# KiCad board FF34.kicad_pcb
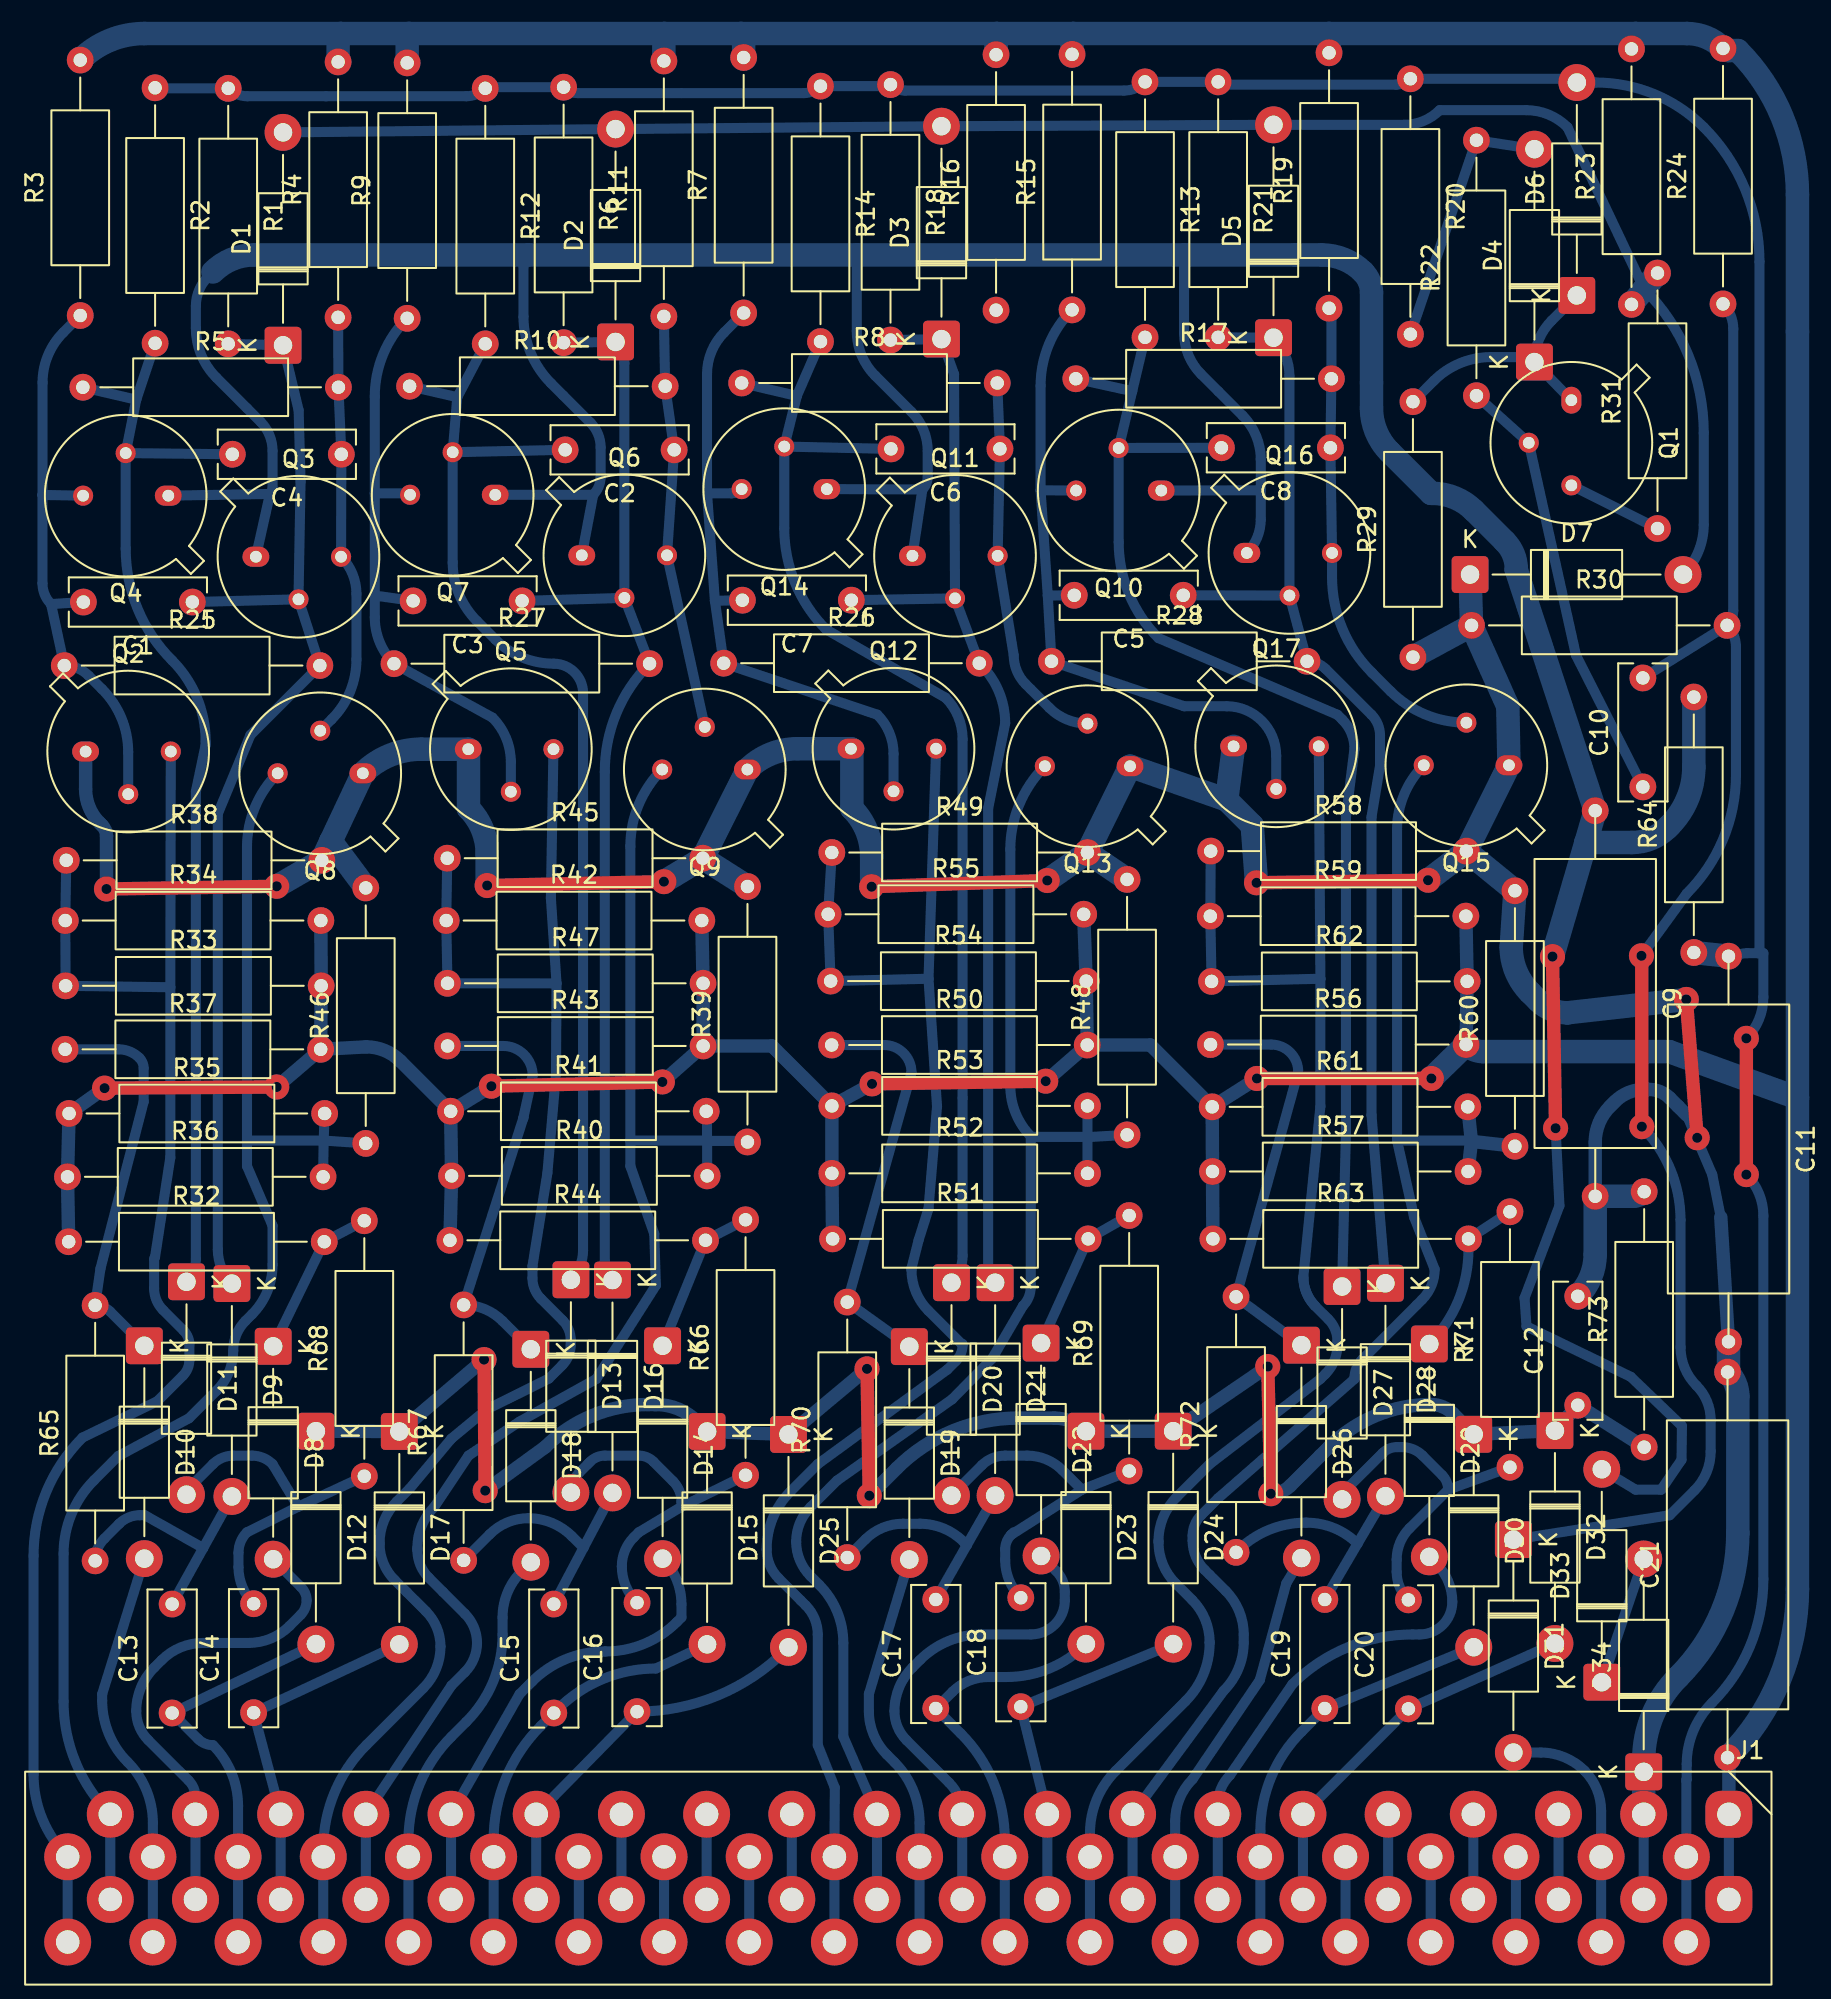
[diagram p0: board, top side]
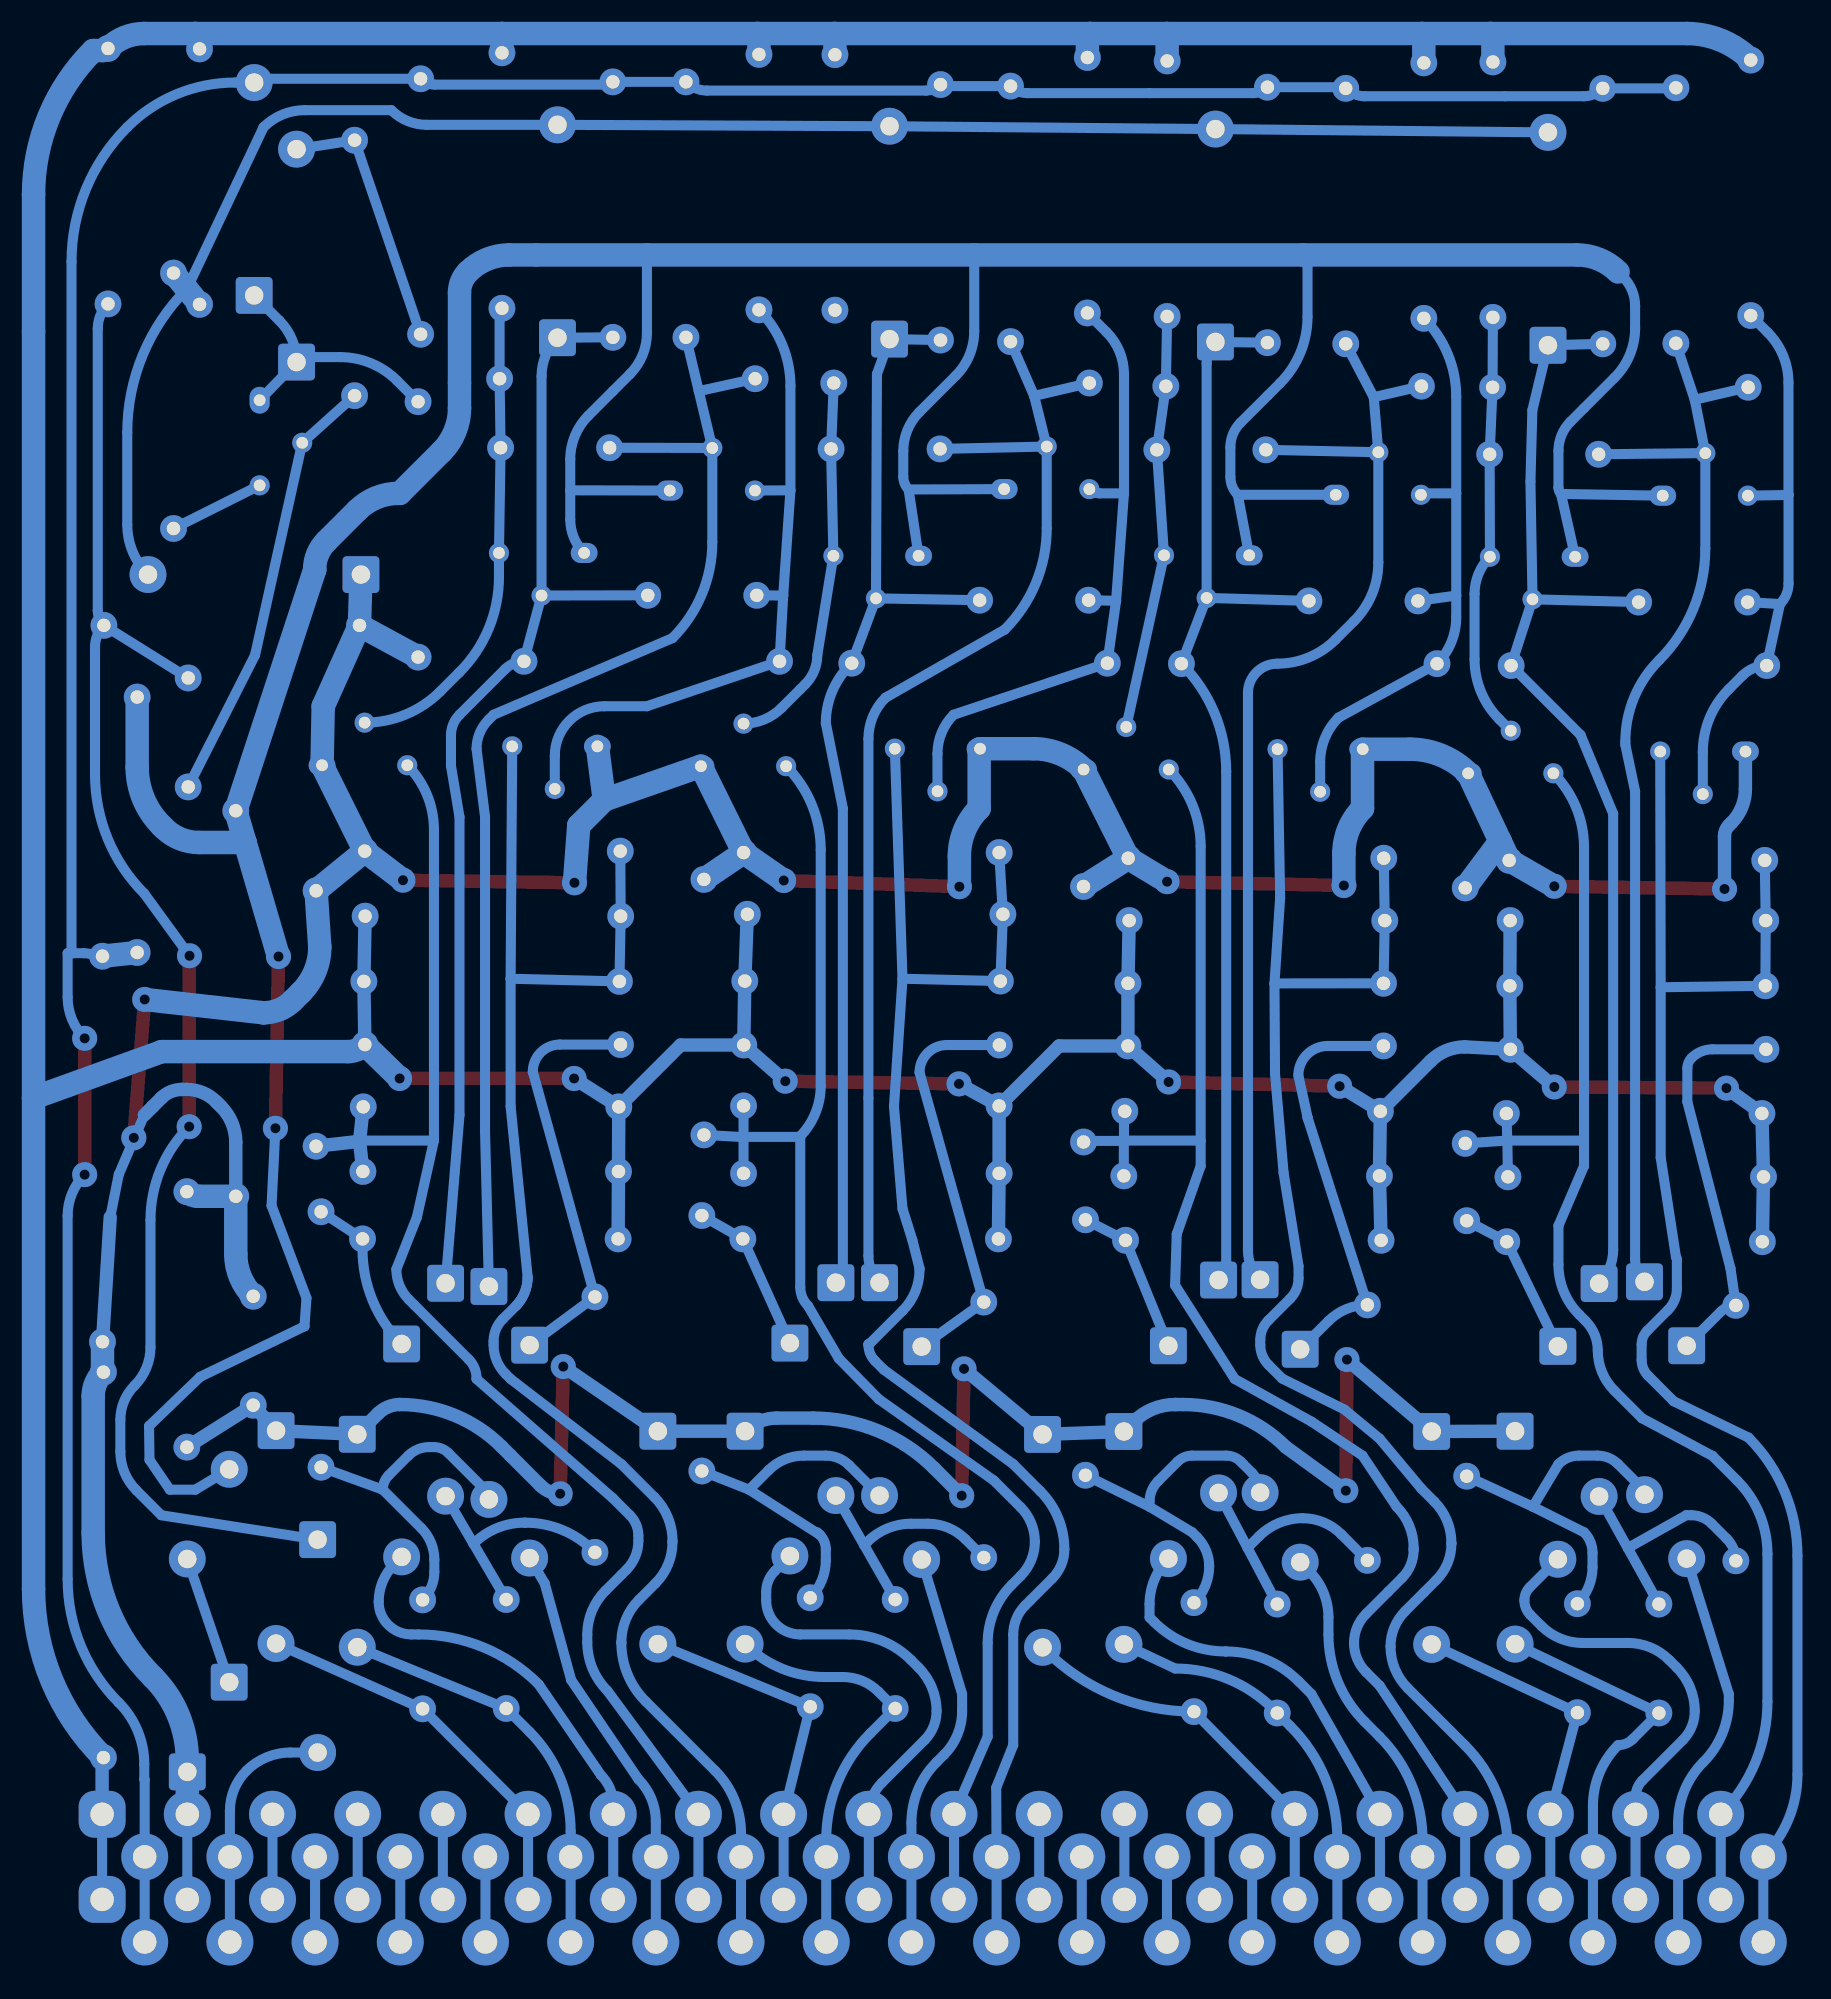
[diagram p1: board, bottom side, seen from below]

No outline. copper layers: Top, Bottom. Coordinates in mm from the lowest, leftmost part position.

## Placement (name value [footprint] x y rotation side)
C1  ~  [C_Rect_L9.0mm_W2.7mm_P7.50mm_MKT]  7.64 72.32 180 top
C2  ~  [C_Rect_L9.0mm_W2.7mm_P7.50mm_MKT]  36.37 81.4 180 top
C3  ~  [C_Rect_L9.0mm_W2.7mm_P7.50mm_MKT]  27.3 72.38 180 top
C4  ~  [C_Rect_L9.0mm_W2.7mm_P7.50mm_MKT]  16.52 81.13 180 top
C5  ~  [C_Rect_L9.0mm_W2.7mm_P7.50mm_MKT]  66.72 72.72 180 top
C6  ~  [C_Rect_L9.0mm_W2.7mm_P7.50mm_MKT]  55.79 81.45 180 top
C7  ~  [C_Rect_L9.0mm_W2.7mm_P7.50mm_MKT]  46.94 72.43 180 top
C8  ~  [C_Rect_L9.0mm_W2.7mm_P7.50mm_MKT]  75.5 81.52 180 top
C9  0.068uF 150V  [C_Axial_L17.0mm_D7.0mm_P25.00mm_Horizontal]  91.29 59.87 270 top
C10  ~  [C_Rect_L9.0mm_W2.7mm_P7.50mm_MKT]  94.13 61.29 90 top
C11  0.068uF 150V  [C_Axial_L17.0mm_D7.0mm_P25.00mm_Horizontal]  99.24 51.19 270 top
C12  ~  [C_Rect_L9.0mm_W2.7mm_P7.50mm_MKT]  90.25 24.4 90 top
C13  ~  [C_Rect_L9.0mm_W2.7mm_P7.50mm_MKT]  6.43 6.04 90 top
C14  ~  [C_Rect_L9.0mm_W2.7mm_P7.50mm_MKT]  11.29 6.06 90 top
C15  ~  [C_Rect_L9.0mm_W2.7mm_P7.50mm_MKT]  29.19 6.04 90 top
C16  ~  [C_Rect_L9.0mm_W2.7mm_P7.50mm_MKT]  34.15 6.12 90 top
C17  ~  [C_Rect_L9.0mm_W2.7mm_P7.50mm_MKT]  51.97 6.31 90 top
C18  ~  [C_Rect_L9.0mm_W2.7mm_P7.50mm_MKT]  57.04 6.42 90 top
C19  ~  [C_Rect_L9.0mm_W2.7mm_P7.50mm_MKT]  75.16 6.31 90 top
C20  ~  [C_Rect_L9.0mm_W2.7mm_P7.50mm_MKT]  80.15 6.29 90 top
C21  0.068uF 150V  [C_Axial_L17.0mm_D7.0mm_P25.00mm_Horizontal]  99.18 3.38 90 top
D1  ~  [D_DO-41_SOD81_P12.70mm_Horizontal]  13.04 87.63 90 top
D2  ~  [D_DO-41_SOD81_P12.70mm_Horizontal]  32.87 87.83 90 top
D3  ~  [D_DO-41_SOD81_P12.70mm_Horizontal]  52.31 88 90 top
D4  blue  [D_DO-41_SOD81_P12.70mm_Horizontal]  87.67 86.63 90 top
D5  ~  [D_DO-41_SOD81_P12.70mm_Horizontal]  72.11 88.09 90 top
D6  S1005  [D_DO-41_SOD81_P12.70mm_Horizontal]  90.19 90.61 90 top
D7  blue  [D_DO-41_SOD81_P12.70mm_Horizontal]  83.83 73.96 0 top
D8  ~  [D_DO-41_SOD81_P12.70mm_Horizontal]  12.45 27.92 270 top
D9  ~  [D_DO-41_SOD81_P12.70mm_Horizontal]  9.99 31.66 270 top
D10  ~  [D_DO-41_SOD81_P12.70mm_Horizontal]  4.77 27.95 270 top
D11  ~  [D_DO-41_SOD81_P12.70mm_Horizontal]  7.29 31.77 270 top
D12  ~  [D_DO-41_SOD81_P12.70mm_Horizontal]  15 22.85 270 top
D13  ~  [D_DO-41_SOD81_P12.70mm_Horizontal]  30.21 31.89 270 top
D14  ~  [D_DO-41_SOD81_P12.70mm_Horizontal]  35.68 27.95 270 top
D15  ~  [D_DO-41_SOD81_P12.70mm_Horizontal]  38.33 22.83 270 top
D16  ~  [D_DO-41_SOD81_P12.70mm_Horizontal]  32.69 31.87 270 top
D17  ~  [D_DO-41_SOD81_P12.70mm_Horizontal]  19.98 22.83 270 top
D18  ~  [D_DO-41_SOD81_P12.70mm_Horizontal]  27.82 27.74 270 top
D19  ~  [D_DO-41_SOD81_P12.70mm_Horizontal]  50.39 27.9 270 top
D20  ~  [D_DO-41_SOD81_P12.70mm_Horizontal]  52.9 31.71 270 top
D21  ~  [D_DO-41_SOD81_P12.70mm_Horizontal]  55.51 31.71 270 top
D22  ~  [D_DO-41_SOD81_P12.70mm_Horizontal]  58.25 28.11 270 top
D23  ~  [D_DO-41_SOD81_P12.70mm_Horizontal]  60.92 22.85 270 top
D24  ~  [D_DO-41_SOD81_P12.70mm_Horizontal]  66.12 22.85 270 top
D25  ~  [D_DO-41_SOD81_P12.70mm_Horizontal]  43.18 22.66 270 top
D26  ~  [D_DO-41_SOD81_P12.70mm_Horizontal]  73.77 27.99 270 top
D27  ~  [D_DO-41_SOD81_P12.70mm_Horizontal]  76.2 31.48 270 top
D28  ~  [D_DO-41_SOD81_P12.70mm_Horizontal]  78.78 31.68 270 top
D29  ~  [D_DO-41_SOD81_P12.70mm_Horizontal]  81.4 28.06 270 top
D30  ~  [D_DO-41_SOD81_P12.70mm_Horizontal]  84.05 22.67 270 top
D31  ~  [D_DO-41_SOD81_P12.70mm_Horizontal]  86.41 16.38 270 top
D32  ~  [D_DO-41_SOD81_P12.70mm_Horizontal]  88.89 22.89 270 top
D33  S1005  [D_DO-41_SOD81_P12.70mm_Horizontal]  91.68 7.88 90 top
D34  S1005  [D_DO-41_SOD81_P12.70mm_Horizontal]  94.18 2.53 90 top
J1  Conn_01x40  [ELCO 40]  99.26 0 0 top
Q1  ~  [TO-5-3]  89.87 84.36 270 top
Q2  ~  [TO-5-3]  1.27 63.4 0 top
Q3  ~  [TO-5-3]  11.42 75.02 0 top
Q4  ~  [TO-5-3]  6.2 78.66 180 top
Q5  ~  [TO-5-3]  24.09 63.54 0 top
Q6  ~  [TO-5-3]  30.86 75.1 0 top
Q7  ~  [TO-5-3]  25.7 78.71 180 top
Q8  ~  [TO-5-3]  17.8 62.1 180 top
Q9  ~  [TO-5-3]  40.73 62.33 180 top
Q10  ~  [TO-5-3]  65.41 78.97 180 top
Q11  ~  [TO-5-3]  50.58 75.08 0 top
Q12  ~  [TO-5-3]  46.91 63.57 0 top
Q13  ~  [TO-5-3]  63.55 62.52 180 top
Q14  ~  [TO-5-3]  45.47 79.05 180 top
Q15  ~  [TO-5-3]  86.15 62.58 180 top
Q16  ~  [TO-5-3]  70.52 75.25 0 top
Q17  ~  [TO-5-3]  69.73 63.71 0 top
R1  30k  [R_Axial_DIN0309_L9.0mm_D3.2mm_P15.24mm_Horizontal]  9.77 102.96 270 top
R2  30k  [R_Axial_DIN0309_L9.0mm_D3.2mm_P15.24mm_Horizontal]  5.41 103 270 top
R3  2k  [R_Axial_DIN0309_L9.0mm_D3.2mm_P15.24mm_Horizontal]  0.95 89.41 90 top
R4  2k  [R_Axial_DIN0309_L9.0mm_D3.2mm_P15.24mm_Horizontal]  16.33 89.3 90 top
R5  2k  [R_Axial_DIN0309_L9.0mm_D3.2mm_P15.24mm_Horizontal]  1.11 85.13 0 top
R6  30k  [R_Axial_DIN0309_L9.0mm_D3.2mm_P15.24mm_Horizontal]  29.77 103.03 270 top
R7  2k  [R_Axial_DIN0309_L9.0mm_D3.2mm_P15.24mm_Horizontal]  40.51 89.56 90 top
R8  2k  [R_Axial_DIN0309_L9.0mm_D3.2mm_P15.24mm_Horizontal]  40.39 85.38 0 top
R9  2k  [R_Axial_DIN0309_L9.0mm_D3.2mm_P15.24mm_Horizontal]  20.45 89.24 90 top
R10  2k  [R_Axial_DIN0309_L9.0mm_D3.2mm_P15.24mm_Horizontal]  20.59 85.19 0 top
R11  2k  [R_Axial_DIN0309_L9.0mm_D3.2mm_P15.24mm_Horizontal]  35.75 89.36 90 top
R12  30k  [R_Axial_DIN0309_L9.0mm_D3.2mm_P15.24mm_Horizontal]  25.1 102.96 270 top
R13  30k  [R_Axial_DIN0309_L9.0mm_D3.2mm_P15.24mm_Horizontal]  64.45 103.35 270 top
R14  30k  [R_Axial_DIN0309_L9.0mm_D3.2mm_P15.24mm_Horizontal]  45.09 103.09 270 top
R15  2k  [R_Axial_DIN0309_L9.0mm_D3.2mm_P15.24mm_Horizontal]  60.09 89.75 90 top
R16  2k  [R_Axial_DIN0309_L9.0mm_D3.2mm_P15.24mm_Horizontal]  55.56 89.73 90 top
R17  2k  [R_Axial_DIN0309_L9.0mm_D3.2mm_P15.24mm_Horizontal]  60.32 85.64 0 top
R18  30k  [R_Axial_DIN0309_L9.0mm_D3.2mm_P15.24mm_Horizontal]  49.27 103.19 270 top
R19  2k  [R_Axial_DIN0309_L9.0mm_D3.2mm_P15.24mm_Horizontal]  75.42 89.84 90 top
R20  10k  [R_Axial_DIN0309_L9.0mm_D3.2mm_P15.24mm_Horizontal]  80.27 103.53 270 top
R21  30k  [R_Axial_DIN0309_L9.0mm_D3.2mm_P15.24mm_Horizontal]  68.81 103.35 270 top
R22  1k  [R_Axial_DIN0309_L9.0mm_D3.2mm_P15.24mm_Horizontal]  84.21 84.63 90 top
R23  10k  [R_Axial_DIN0309_L9.0mm_D3.2mm_P15.24mm_Horizontal]  93.45 90.07 90 top
R24  3.9k  [R_Axial_DIN0309_L9.0mm_D3.2mm_P15.24mm_Horizontal]  98.91 90.1 90 top
R25  2k  [R_Axial_DIN0309_L9.0mm_D3.2mm_P15.24mm_Horizontal]  0 68.53 0 top
R26  2k  [R_Axial_DIN0309_L9.0mm_D3.2mm_P15.24mm_Horizontal]  39.32 68.67 0 top
R27  2k  [R_Axial_DIN0309_L9.0mm_D3.2mm_P15.24mm_Horizontal]  19.66 68.64 0 top
R28  2k  [R_Axial_DIN0309_L9.0mm_D3.2mm_P15.24mm_Horizontal]  58.87 68.78 0 top
R29  6.8k  [R_Axial_DIN0309_L9.0mm_D3.2mm_P15.24mm_Horizontal]  80.42 69.03 90 top
R30  6.8k  [R_Axial_DIN0309_L9.0mm_D3.2mm_P15.24mm_Horizontal]  83.91 70.93 0 top
R31  510  [R_Axial_DIN0309_L9.0mm_D3.2mm_P15.24mm_Horizontal]  95 76.7 90 top
R32  3.9k  [R_Axial_DIN0309_L9.0mm_D3.2mm_P15.24mm_Horizontal]  0.26 34.16 0 top
R33  680  [R_Axial_DIN0309_L9.0mm_D3.2mm_P15.24mm_Horizontal]  0.08 49.42 0 top
R34  680  [R_Axial_DIN0309_L9.0mm_D3.2mm_P15.24mm_Horizontal]  0.06 53.32 0 top
R35  680  [R_Axial_DIN0309_L9.0mm_D3.2mm_P15.24mm_Horizontal]  0.28 41.81 0 top
R36  680  [R_Axial_DIN0309_L9.0mm_D3.2mm_P15.24mm_Horizontal]  0.19 38.03 0 top
R37  3.9k  [R_Axial_DIN0309_L9.0mm_D3.2mm_P15.24mm_Horizontal]  0.05 45.63 0 top
R38  1k  [R_Axial_DIN0309_L9.0mm_D3.2mm_P15.24mm_Horizontal]  0.12 56.91 0 top
R39  1k  [R_Axial_DIN0309_L9.0mm_D3.2mm_P15.24mm_Horizontal]  40.74 40.11 90 top
R40  680  [R_Axial_DIN0309_L9.0mm_D3.2mm_P15.24mm_Horizontal]  23.09 38.08 0 top
R41  680  [R_Axial_DIN0309_L9.0mm_D3.2mm_P15.24mm_Horizontal]  23.04 41.94 0 top
R42  680  [R_Axial_DIN0309_L9.0mm_D3.2mm_P15.24mm_Horizontal]  22.77 53.32 0 top
R43  3.9k  [R_Axial_DIN0309_L9.0mm_D3.2mm_P15.24mm_Horizontal]  22.85 45.83 0 top
R44  3.9k  [R_Axial_DIN0309_L9.0mm_D3.2mm_P15.24mm_Horizontal]  23 34.24 0 top
R45  1k  [R_Axial_DIN0309_L9.0mm_D3.2mm_P15.24mm_Horizontal]  22.84 57.03 0 top
R46  1k  [R_Axial_DIN0309_L9.0mm_D3.2mm_P15.24mm_Horizontal]  17.98 40.02 90 top
R47  680  [R_Axial_DIN0309_L9.0mm_D3.2mm_P15.24mm_Horizontal]  22.85 49.57 0 top
R48  1k  [R_Axial_DIN0309_L9.0mm_D3.2mm_P15.24mm_Horizontal]  63.37 40.53 90 top
R49  1k  [R_Axial_DIN0309_L9.0mm_D3.2mm_P15.24mm_Horizontal]  45.77 57.37 0 top
R50  3.9k  [R_Axial_DIN0309_L9.0mm_D3.2mm_P15.24mm_Horizontal]  45.76 45.89 0 top
R51  3.9k  [R_Axial_DIN0309_L9.0mm_D3.2mm_P15.24mm_Horizontal]  45.81 34.33 0 top
R52  680  [R_Axial_DIN0309_L9.0mm_D3.2mm_P15.24mm_Horizontal]  45.77 38.23 0 top
R53  680  [R_Axial_DIN0309_L9.0mm_D3.2mm_P15.24mm_Horizontal]  45.77 42.26 0 top
R54  680  [R_Axial_DIN0309_L9.0mm_D3.2mm_P15.24mm_Horizontal]  45.7 49.71 0 top
R55  680  [R_Axial_DIN0309_L9.0mm_D3.2mm_P15.24mm_Horizontal]  45.55 53.69 0 top
R56  3.9k  [R_Axial_DIN0309_L9.0mm_D3.2mm_P15.24mm_Horizontal]  68.35 45.92 0 top
R57  680  [R_Axial_DIN0309_L9.0mm_D3.2mm_P15.24mm_Horizontal]  68.47 38.35 0 top
R58  1k  [R_Axial_DIN0309_L9.0mm_D3.2mm_P15.24mm_Horizontal]  68.36 57.46 0 top
R59  680  [R_Axial_DIN0309_L9.0mm_D3.2mm_P15.24mm_Horizontal]  68.34 53.58 0 top
R60  1k  [R_Axial_DIN0309_L9.0mm_D3.2mm_P15.24mm_Horizontal]  86.5 39.85 90 top
R61  680  [R_Axial_DIN0309_L9.0mm_D3.2mm_P15.24mm_Horizontal]  68.45 42.2 0 top
R62  680  [R_Axial_DIN0309_L9.0mm_D3.2mm_P15.24mm_Horizontal]  68.41 49.69 0 top
R63  3.9k  [R_Axial_DIN0309_L9.0mm_D3.2mm_P15.24mm_Horizontal]  68.49 34.33 0 top
R64  120  [R_Axial_DIN0309_L9.0mm_D3.2mm_P15.24mm_Horizontal]  97.17 51.41 90 top
R65  1k  [R_Axial_DIN0309_L9.0mm_D3.2mm_P15.24mm_Horizontal]  1.84 15.12 90 top
R66  1k  [R_Axial_DIN0309_L9.0mm_D3.2mm_P15.24mm_Horizontal]  40.62 20.22 90 top
R67  1k  [R_Axial_DIN0309_L9.0mm_D3.2mm_P15.24mm_Horizontal]  23.81 15.15 90 top
R68  1k  [R_Axial_DIN0309_L9.0mm_D3.2mm_P15.24mm_Horizontal]  17.89 20.17 90 top
R69  1k  [R_Axial_DIN0309_L9.0mm_D3.2mm_P15.24mm_Horizontal]  63.5 20.48 90 top
R70  1k  [R_Axial_DIN0309_L9.0mm_D3.2mm_P15.24mm_Horizontal]  46.69 15.32 90 top
R71  1k  [R_Axial_DIN0309_L9.0mm_D3.2mm_P15.24mm_Horizontal]  86.21 20.7 90 top
R72  1k  [R_Axial_DIN0309_L9.0mm_D3.2mm_P15.24mm_Horizontal]  69.87 15.63 90 top
R73  68  [R_Axial_DIN0309_L9.0mm_D3.2mm_P15.24mm_Horizontal]  94.21 21.9 90 top

## Library data of the parts
C1-C21 = -: ki_fp_filters: C_*
D1-D34 = -: ki_fp_filters: D*DO?35*
J1 = -: Description: Generic connector, single row, 01x40, script generated (kicad-library-utils/schlib/autogen/connector/); ki_fp_filters: Connector*:*_1x??_*
Q1-Q17 = -: Description: PNP transistor, emitter/base/collector
R1-R73 = -: ki_fp_filters: R_*
